# Altium PCB SpaceLocator.PcbDoc
Units mm, origin at the board's own origin, x right, y up, seen from the top; angles counter-clockwise.
Board outline 120.51 x 107.11 mm, 2 copper layers (Top Layer, Bottom Layer); 79 components, 67 nets, 270 pads, 69 vias.
Unrouted connection lines stored in the file: 1.
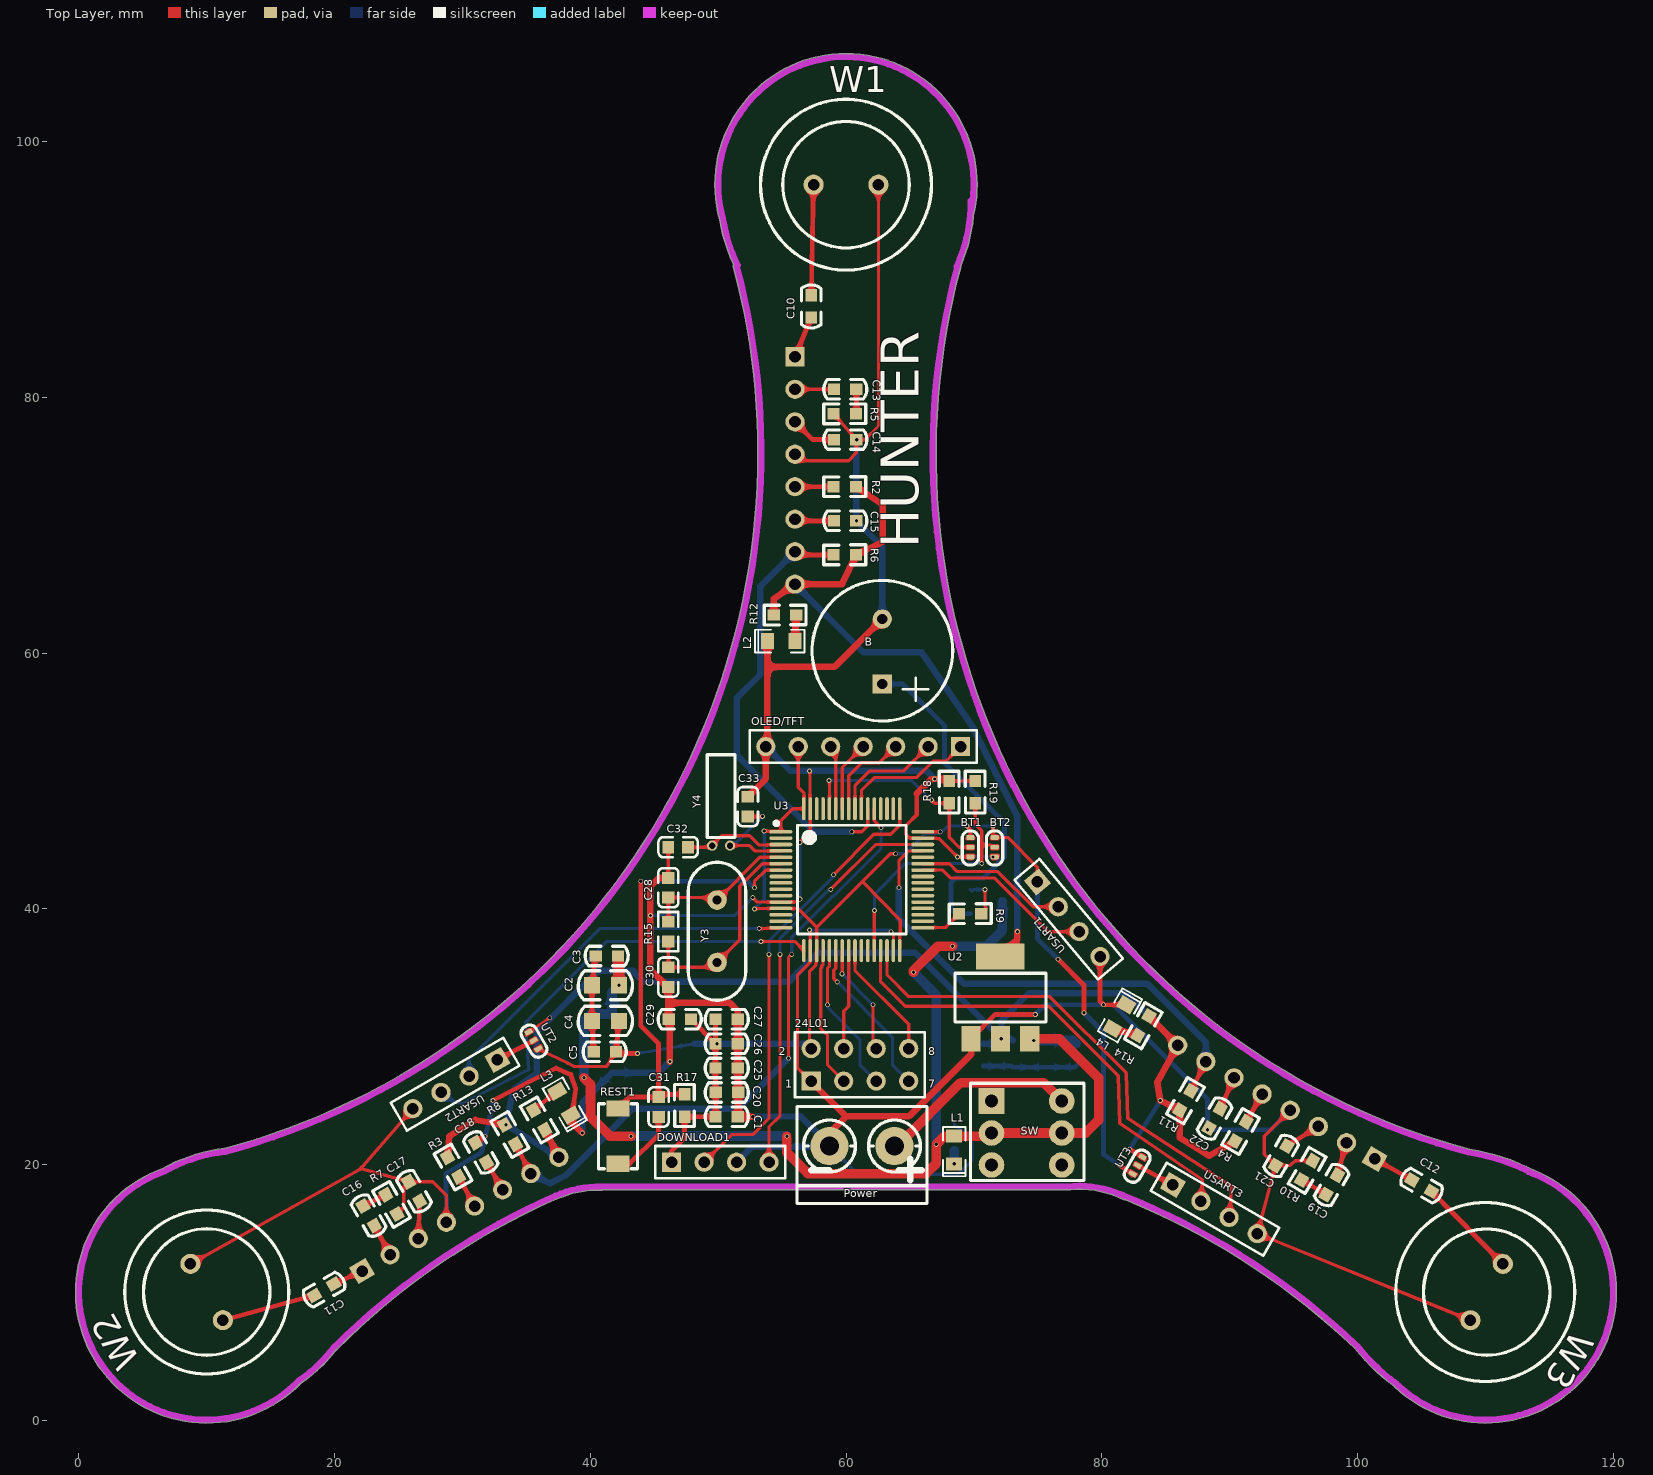
[diagram p0: Top Layer view]
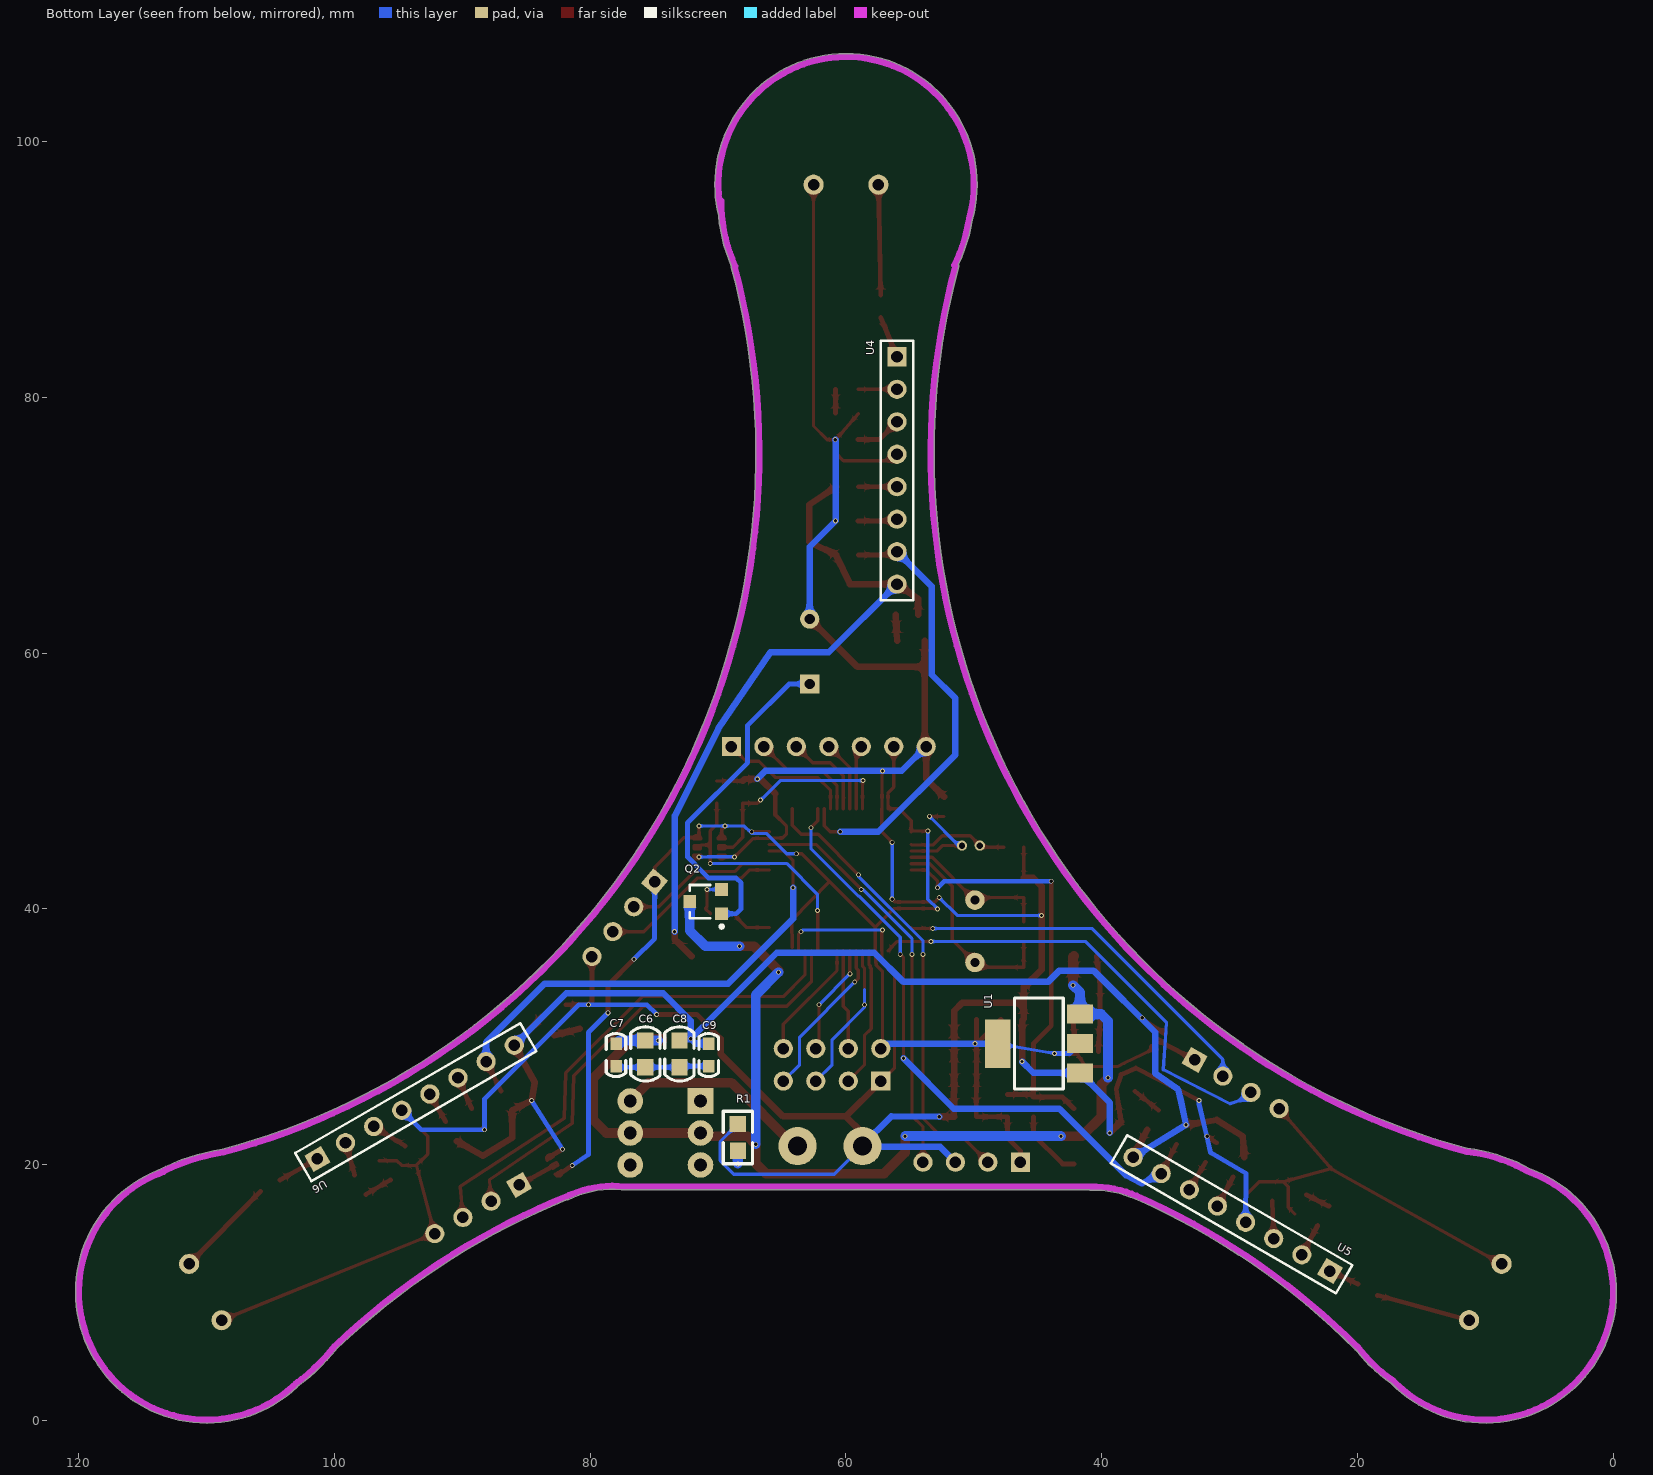
[diagram p1: Bottom Layer view, seen from below]
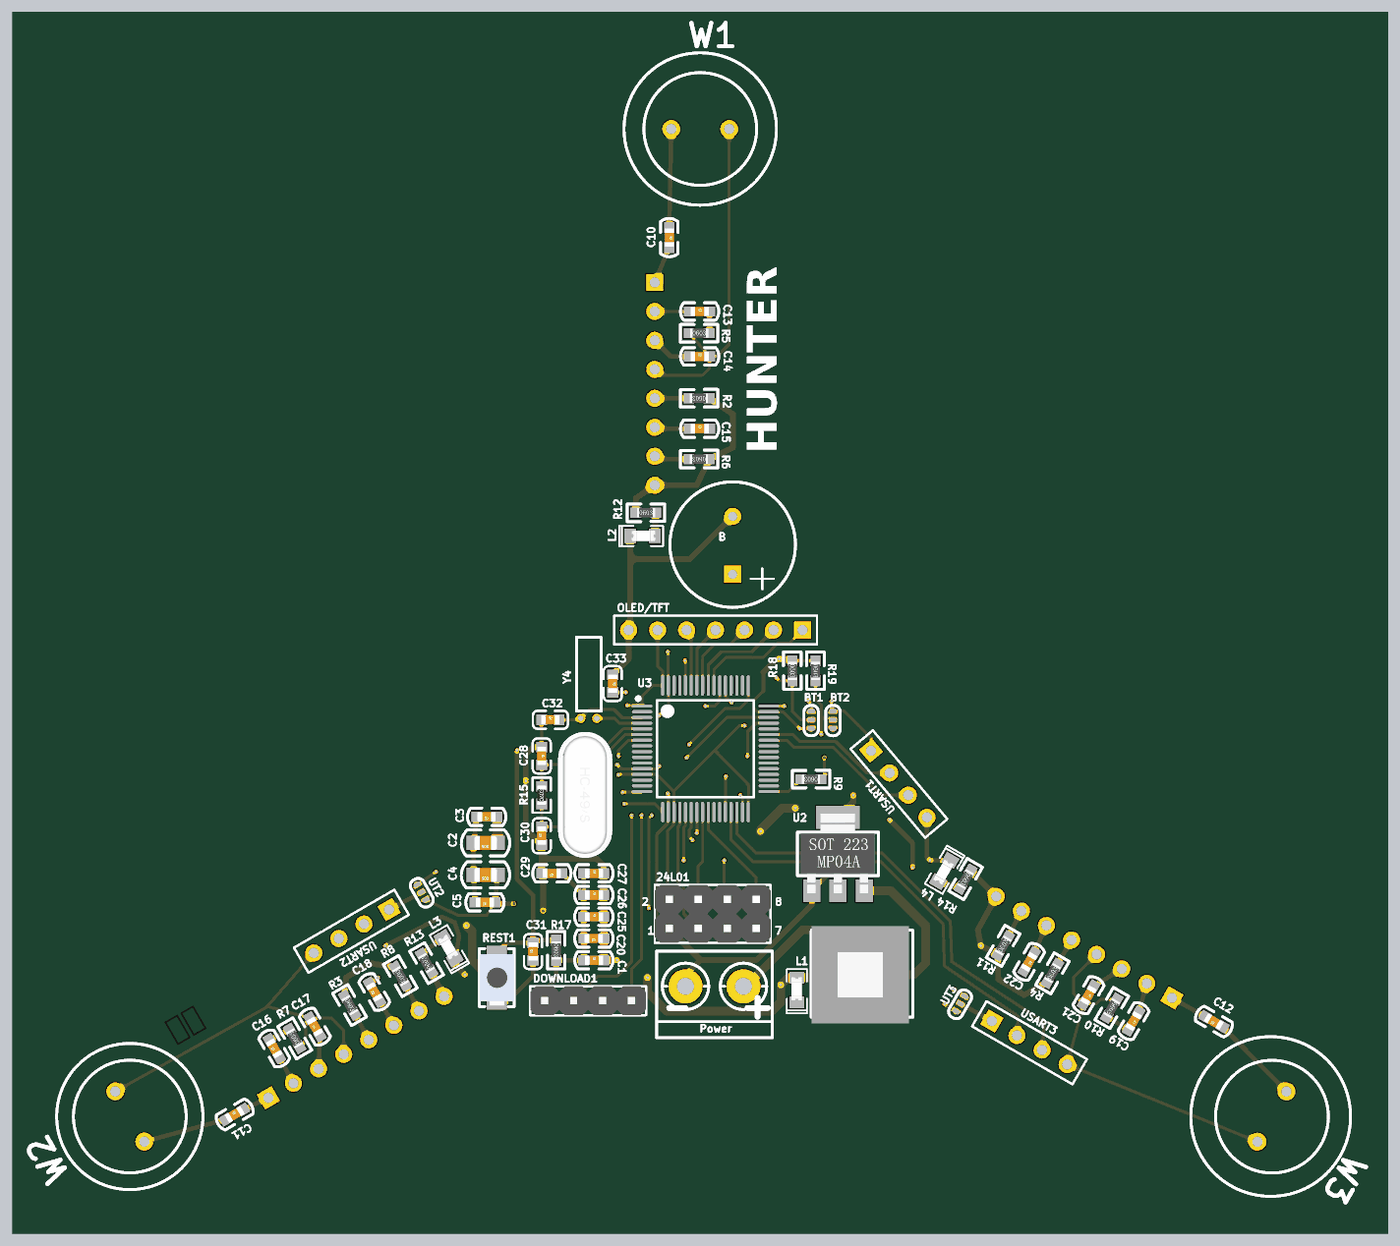
[diagram p2: 3D render of the assembled board from above, using the file's embedded part models]
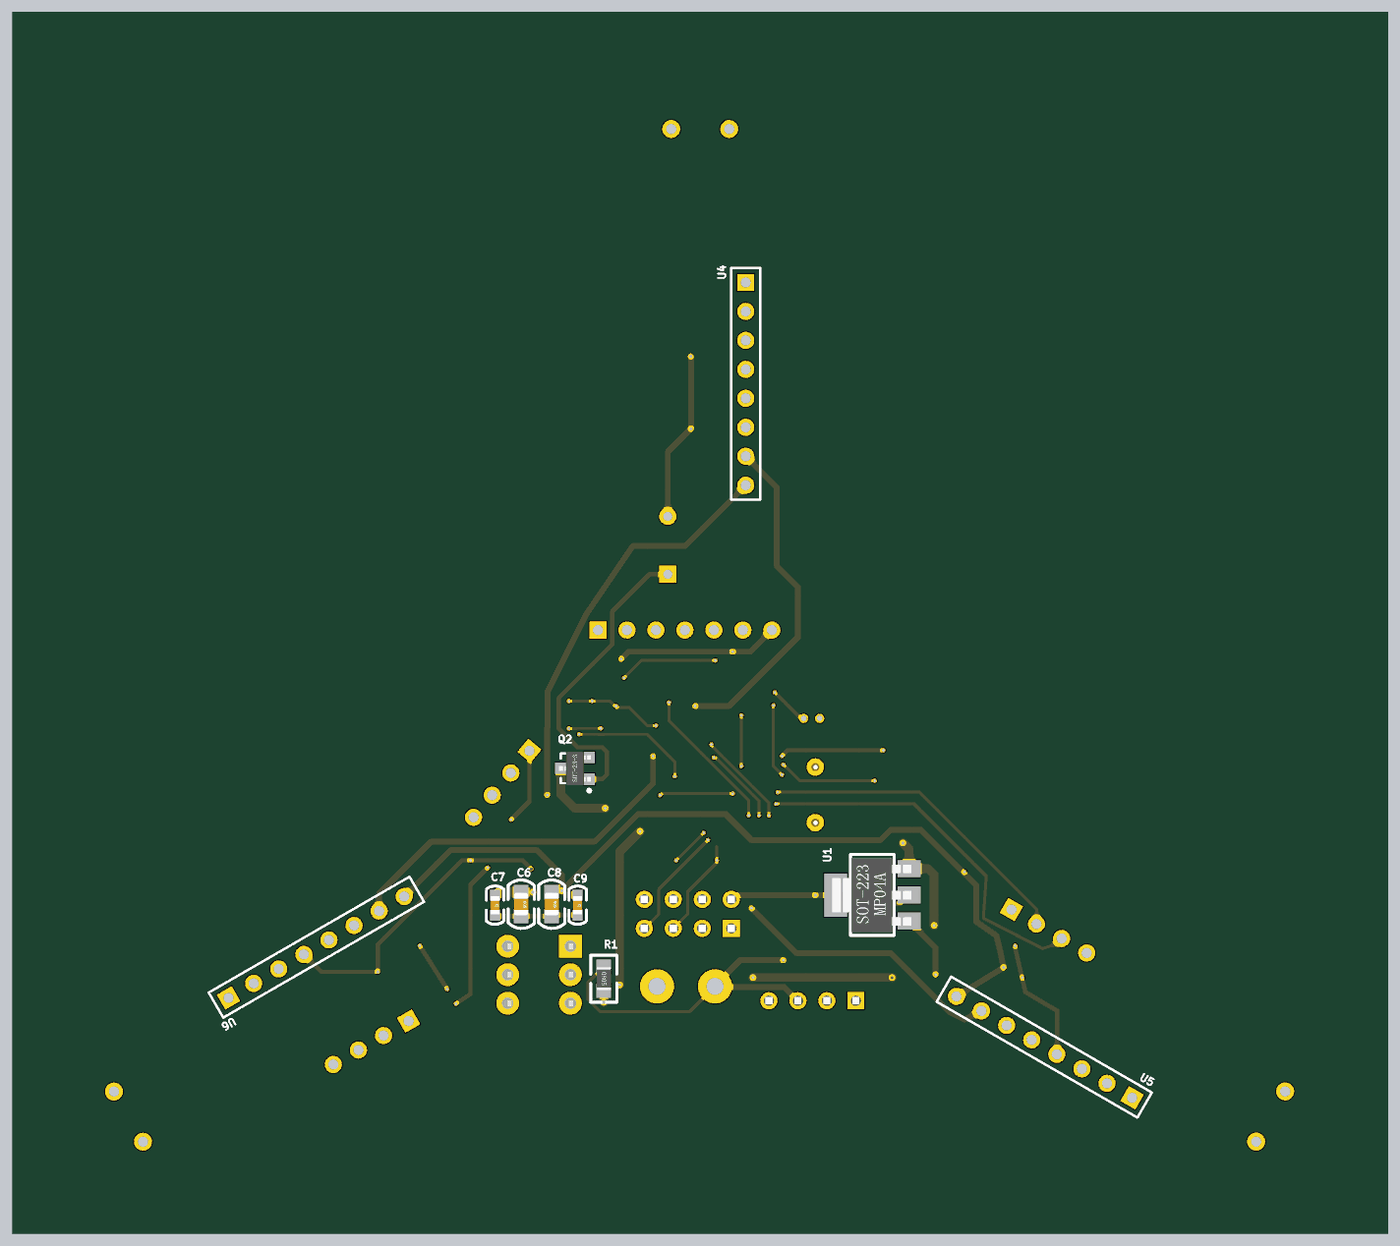
[diagram p3: 3D render of the assembled board from below, using the file's embedded part models]

## Layer stack, top to bottom
Top Solder: solder mask 0.0102, Solder Resist, Dk 3.5
Top Layer: signal copper 0.0356
Dielectric 1: dielectric 0.32, FR-4, Dk 4.8
Bottom Layer: signal copper 0.0356
Bottom Solder: solder mask 0.0102, Solder Resist, Dk 3.5

## Board outline
17.352,2.898 ccw(c10.922,12.446) 20.093,5.49 ccw(c19.996,5.725) 20.176,5.545 cw(c60.031,-34.193) 37.264,17.277 ccw(c37.211,17.526) 37.315,17.294 cw(c40.703,9.715) 40.885,18.015 ccw(c40.891,18.269) 40.987,18.034 77.343,18.034 77.47,18.034 ccw(c77.47,18.288) 77.571,18.054 cw(c78.232,10.16) 81.725,17.271 ccw(c81.837,17.499) 81.865,17.246 cw(c60.071,-36.068) 99.761,5.67 ccw(c113.03,16.256) 102.921,2.62 ccw(c109.996,10.043) 120.25,10.043 ccw(c109.996,10.043) 113.795,19.567 ccw(c106.299,5.08) 108.764,21.204 cw(c123.353,75.596) 68.958,90.171 ccw(c68.712,90.237) 68.966,90.237 ccw(c68.712,90.237) 68.962,90.284 ccw(c57.15,95.377) 69.962,94.233 ccw(c59.996,96.645) 70.25,96.645 ccw(c59.996,96.645) 50.115,93.904 ccw(c62.992,96.012) 51.207,90.41 ccw(c51.435,90.297) 51.189,90.231 cw(c-3.206,75.656) 53.108,75.656 cw(c-3.206,75.656) 11.443,21.281 ccw(c11.434,21.026) 11.404,21.279 ccw(c12.954,8.255) 6.547,19.7 ccw(c9.996,10.043)

## Design rules (kind name [scope] priority, off if disabled: settings)
Clearance [All] p1: gap=0.203 ignorepadtopadclearanceinfootprint=FALSE
PlaneConnect [All] p1: planeconnectstyle=Relief reliefexpansion=0.508 reliefentries=4 reliefconductorwidth=0.508 reliefairgap=0.254
PolygonConnect [All] p1: connectstyle=Relief reliefconductorwidth=0.254 reliefentries=4 polygonreliefangle="90 Angle" airgapwidth=0.254
RoutingVias [All] p1: holewidth=0.254 width=0.381 viastyle="Through Hole" minholewidth=0.203 minwidth=0.254 maxholewidth=0.711 maxwidth=0.889
SolderMaskExpansion [All] p1: expansion=0.102
Width [All] p1: maxlimit=0.762 minlimit=0.203 preferedwidth=0.254
29 further rules are at their usual default settings.

## Classes and differential pairs
component class U_STM32F103RCT6MinSys: B Bt1 BT2 C1 C20 C25 C26 C27 C28 C29 C30 C31 C32 C33 DOWNLOAD1 Q2 R9 R15 R17 R18 R19 REST1 U3 USART1 Y3 Y4
component class U_RecevieModels: C10 C11 C12 C13 C14 C15 C16 C17 C18 C19 C21 C22 L2 L3 L4 R2 R3 R4 R5 R6 R7 R8 R10 R11 R12 R13 R14 U4 U5 U6 W1 W2 W3
component class U_Power: C2 C3 C4 C5 C6 C7 C8 C9 L1 Power R1 SW U1 U2
component class U_MODELS: 24L01 OLED/TFT USART2 USART3 UT2 UT3

## Components (designator, comment, footprint, x,y, rotation, side; value= is the part's Value field where it differs from the comment)
24L01 "NRF2401" HDR2X4 57.277,26.543 r0 top locked
B "BEEP" BEEP 62.738,60.198 r180 top locked
BT1 "JUMPER3" Jumper3#1 69.723,45.847 r180 top locked (schematic designator BOOT1)
BT2 "JUMPER3" Jumper3#2 71.628,45.847 r180 top locked (schematic designator BOOT2)
C1 "104" C0603 49.784,23.749 r0 top locked
C2 "10u" C0805 42.385,34.033 r180 top locked
C3 "100n" C0603 42.164,36.322 r180 top locked
C4 "10u" C0805 42.385,31.239 r180 top locked
C5 "100n" C0603 42.012,28.829 r180 top locked
C6 "10u" C0805 75.692,29.87 r270 bottom locked
C7 "100n" C0603 77.978,29.464 r270 bottom locked
C8 "10u" C0805 73.025,29.87 r270 bottom locked
C9 "100n" C0603 70.739,29.464 r270 bottom locked
C10 "inf" C0603 57.277,88.011 r270 top locked
C11 "inf" C0603 18.415,9.779 r30 top locked
C12 "inf" C0603 105.785,17.92 r150 top locked
C13 "1u" C0603 59.055,80.645 r0 top locked
C14 "3.3u" C0603 59.055,76.708 r0 top locked
C15 "330p" C0603 59.055,70.358 r0 top locked
C16 "1u" C0603 23.101,15.246 r120 top locked
C17 "3.3u" C0603 26.657,17.151 r120 top locked
C18 "330p" C0603 31.877,20.193 r120 top locked
C19 "1u" C0603 98.425,19.177 r240 top locked
C20 "104" C0603 51.562,25.654 r180 top locked
C21 "3.3u" C0603 94.475,21.457 r240 top locked
C22 "330p" C0603 89.268,24.378 r240 top locked
C25 "104" C0603 49.784,27.559 r0 top locked
C26 "104" C0603 49.784,29.464 r0 top locked
C27 "104" C0603 49.784,31.369 r0 top locked
C28 "20pF" LC-0603_C 46.101,41.664 r270 top locked
C29 "104" C0603 47.879,31.369 r180 top locked
C30 "20pF" LC-0603_C 46.101,34.671 r90 top locked
C31 "104" LC-0603_C 45.339,24.511 r90 top locked value=100pF
C32 "6pF" LC-0603_C 46.863,44.831 r0 top locked value=20pF
C33 "6pF" LC-0603_C 52.324,48.006 r270 top locked value=20pF
DOWNLOAD1 "CON/SIP4" HDR1X4 46.355,20.193 r0 top locked
L1 "LED" LED0805TB 68.453,22.225 r270 top locked
L2 "LED" LED0805TB 56.007,60.96 r180 top locked
L3 "LED" LED0805TB 37.401,25.746 r300 top locked
L4 "LED" LED0805TB 80.835,30.642 r60 top locked
OLED/TFT "Header 7" HDR1X7 68.961,52.705 r180 top locked
Power "P" 2脚接头 61.245,21.457 r270 top locked (schematic designator U？)
Q2 "NPN" SOT23-3 70.866,40.513 r90 bottom locked
R1 "Resistor" R0805 68.458,23.172 r270 bottom locked
R2 "210k" R0603 60.774,73.025 r180 top locked
R3 "210k" R0603 28.829,20.574 r300 top locked
R4 "210k" R0603 90.424,21.844 r60 top locked
R5 "4.7" R0603 59.021,78.74 r0 top locked
R6 "22k" R0603 60.774,67.691 r180 top locked
R7 "4.7" R0603 24.879,16.135 r120 top locked
R8 "22k" R0603 33.274,23.114 r300 top locked
R9 "100R" R0603 70.587,39.624 r180 top locked
R10 "4.7" R0603 96.507,20.314 r240 top locked
R11 "22k" R0603 86.106,24.257 r60 top locked
R12 "1k" R0603 54.356,62.992 r0 top locked
R13 "1k" R0603 36.436,22.739 r120 top locked
R14 "1k" R0603 83.693,31.623 r240 top locked
R15 "1M" LC-0603_R 46.101,38.227 r90 top locked
R17 "10K" R0603 47.371,25.502 r270 top locked
R18 "10K" R0603 68.072,50.013 r270 top locked
R19 "10K" R0603 70.104,50.013 r270 top locked
REST1 "" KEY-K2 42.164,24.384 r270 top locked
SW "6PinSW" SW-7X7 71.124,24.979 r0 top locked (schematic designator SW?)
U1 "AMS1117-XX" SOT223 44.995,29.416 r90 bottom locked
U2 "AMS1117-XX" SOT223 72.009,33.147 r0 top locked
U3 "STM32F103RCT6" LC-LQFP-64_10x10x05P 60.452,42.291 r270 top locked
U4 "CX20106A" 8Pin_100mil 56.007,83.185 r270 bottom locked
U5 "CX20106A" 8Pin_100mil 22.144,11.684 r30 bottom locked
U6 "CX20106A" 8Pin_100mil 101.341,20.447 r150 bottom locked
USART1 "Header 4" HDR1X4 74.967,42.119 r310 top locked
USART2 "Header 4" HDR1X4 32.72,28.194 r210 top locked
USART3 "Header 4" HDR1X4 85.557,18.415 r330 top locked
UT2 "JUMPER3" Jumper3#2 35.052,30.598 r210 top locked
UT3 "JUMPER3" Jumper3#3 83.312,20.819 r150 top locked
W1 "Ultrasonoc" Circle_1cm 59.996,96.645 r270 top locked
W2 "Ultrasonoc" Circle_1cm 9.996,10.043 r30 top locked
W3 "Ultrasonoc" Circle_1cm 110.109,10.033 r150 top locked
Y3 "8MHz" XTAL-49/S_N 49.911,40.691 r270 top locked
Y4 "32.768k" "XTAL_2X6 卧式" 50.292,44.958 r90 top locked value=8MHz

## Footprints (in the part's own frame and the unit in brackets; to place one, negate y for a bottom-side part, rotate by r counter-clockwise, add the part's x,y. Pads: shape width x height; smd on the part's side, far side on the other; paste and mask are expansions set on the pad)
2脚接头 [mm]
  round 3 hole 1.5: 1(0,-2.54) 2(0,2.54)
  silkscreen extent -3.1,-5.08 4.5,5.08
8Pin_100mil [mm]
  rect 1.5x1.5 hole 0.9: 1(0,0)
  round 1.5 hole 0.9: 2(2.54,0) 3(5.08,0) 4(7.62,0) 5(10.16,0) 6(12.7,0) 7(15.24,0) 8(17.78,0)
  silkscreen extent -1.27,-1.27 19.05,1.27, body extent -1.27,-1.27 19.05,1.27, height 7.62
BEEP [mm]
  rect 1.5x1.5 hole 0.8: 1(-0.1,2.6)
  round 1.5 hole 0.8: 2(-0.1,-2.475)
  silkscreen extent -5.6,-5.5 5.4,5.5
C0603 [mil]
  rect 38x35 smd: 1(0,0) 2(69,0)
  silkscreen extent -31,-30 101,30, body extent 4,-16 67,16, height 12
C0805 [mil]
  rect 50x50 smd: 1(6,0) 2(88.7,-0.1)
  silkscreen extent -36,-45 131,45, body extent 8,-24 87,25, height 30
Circle_1cm [mil]
  round 62 hole 35.43: 1(0,100) 2(0,-100)
  silkscreen extent -194,-194 194,194
HDR1X4 [mm] "Connector; Header; 4 Position"
  rect 1.5x1.5 hole 0.9: 1(0,0)
  round 1.5 hole 0.9: 2(2.54,0) 3(5.08,0) 4(7.62,0)
  silkscreen extent -1.27,-1.27 8.89,1.27, body extent -1.26,-1.27 8.9,1.27, height 8.54
HDR1X7 [mm] "Connector; Header; 7 Position"
  rect 1.5x1.5 hole 0.9: 1(0,0)
  round 1.5 hole 0.9: 2(2.54,0) 3(5.08,0) 4(7.62,0) 5(10.16,0) 6(12.7,0) 7(15.24,0)
  silkscreen extent -1.27,-1.27 16.51,1.27
HDR2X4 [mm] "Connector; Header; 4x2 Position"
  rect 1.5x1.5 hole 0.9: 1(0,0)
  round 1.5 hole 0.9: 2(0,2.54) 3(2.54,0) 4(2.54,2.54) 5(5.08,0) 6(5.08,2.54) 7(7.62,0) 8(7.62,2.54)
  silkscreen extent -1.27,-1.27 8.89,3.81, body extent -1.27,-1.27 8.89,3.81, height 8.54
Jumper3#1 [mil] "Use to select Model"
  rrect50% 25x15 smd: 1(0,10) 2(0,40) 3(0,70)
  Top Layer lines w10: 0,75 0,70 0,65 ; 0,5 0,10 0,15 ; 0,65 -11.18,65 cw(c0,65) 10,70 cw(c0,65) 11.18,65 0,65 ; 0,15 -11.18,15 ccw(c0,15) 0,3.82 ccw(c0,15) 11.18,15 0,15 ; 10,45 0,45 -10,45 -10,40 -10,35 0,35 10,35 10,40 10,45
  silkscreen extent -25,-10 25,95
Jumper3#2 [mil] "Use to select Model"
  rrect50% 25x15 smd: 1(0,10) 2(0,40) 3(0,70)
  Top Layer lines w10: 0,75 0,70 0,65 ; 0,5 0,10 0,15 ; 0,65 5,65 11.18,65 ccw(c0,65) -11.18,65 0,65 ; 0,15 -11.18,15 ccw(c0,15) -10,10 ccw(c0,15) 5,5 ccw(c0,15) 11.18,15 0,15 ; 10,45 10,40 10,35 0,35 -10,35 -10,40 -10,45 0,45 10,45
  silkscreen extent -25,-10 25,95
Jumper3#3 [mil] "Use to select Model"
  rrect50% 25x15 smd: 1(0,10) 2(0,40) 3(0,70)
  Top Layer lines w10: 0,75 0,71.65 0,71.57 0,70 0,65 ; 0,5 0,10 0,15 ; 0,65 11.18,65 ccw(c0,65) 9.59,70.75 ccw(c0,65) -11.18,65 -0.95,65 0,65 ; 0,15 -11.18,15 ccw(c0,15) 9.91,9.83 ccw(c0,15) 11.18,15 0,15 ; 10,45 0,45 -10,45 -10,40 -10,39.82 -10,35 0,35 10,35 10,40 10,45
  silkscreen extent -25,-10 25,95
KEY-K2 [mil]
  rect 50x70 smd: 1(0,0) 2(170,0)
  silkscreen extent -15,-60 185,60, body extent -13,-58 183,60, height 79
LC-0603_C [mm]
  rect 0.93x0.98 smd: 1(-0.77,0) 2(0.77,0)
  silkscreen extent -1.53,-0.79 1.54,0.79, body extent -0.8,-0.4 0.8,0.4, height 0.3
LC-0603_R [mm]
  rect 0.93x0.98 smd: 1(-0.77,0) 2(0.77,0)
  silkscreen extent -1.53,-0.79 1.54,0.79, body extent -0.85,-0.4 0.85,0.4, height 0.56
LC-LQFP-64_10x10x05P [mm]
  oval 0.28x1.8 smd mask+0.051: 1(-3.75,-5.55) 2(-3.25,-5.55) 3(-2.75,-5.55) 4(-2.25,-5.55) 5(-1.75,-5.55) 6(-1.25,-5.55) 7(-0.75,-5.55) 8(-0.25,-5.55) 9(0.25,-5.55) 10(0.75,-5.55) 11(1.25,-5.55) 12(1.75,-5.55) 13(2.25,-5.55) 14(2.75,-5.55) 15(3.25,-5.55) 16(3.75,-5.55) 33(3.75,5.55) 34(3.25,5.55) 35(2.75,5.55) 36(2.25,5.55) 37(1.75,5.55) 38(1.25,5.55) 39(0.75,5.55) 40(0.25,5.55) 41(-0.25,5.55) 42(-0.75,5.55) 43(-1.25,5.55) 44(-1.75,5.55) 45(-2.25,5.55) 46(-2.75,5.55) 47(-3.25,5.55)
  oval 1.8x0.28 smd mask+0.051: 17(5.55,-3.75) 18(5.55,-3.25) 19(5.55,-2.75) 20(5.55,-2.25) 21(5.55,-1.75) 22(5.55,-1.25) 23(5.55,-0.75) 24(5.55,-0.25) 25(5.55,0.25) 26(5.55,0.75) 27(5.55,1.25) 28(5.55,1.75) 29(5.55,2.25) 30(5.55,2.75) 31(5.55,3.25) 32(5.55,3.75) 49(-5.55,3.75) 50(-5.55,3.25) 51(-5.55,2.75) 52(-5.55,2.25) 53(-5.55,1.75) 54(-5.55,1.25) 55(-5.55,0.75) 56(-5.55,0.25) 57(-5.55,-0.25) 58(-5.55,-0.75) 59(-5.55,-1.25) 60(-5.55,-1.75) 61(-5.55,-2.25) 62(-5.55,-2.75) 63(-5.55,-3.25) 64(-5.55,-3.75)
  oval 0.28x1.8 smd paste+0 mask+0.102: 48(-3.75,5.55)
  silkscreen extent -4.55,-6.05 4.25,4.25
LED0805TB [mil]
  rect 40x50 smd: 1(0,0) 2(85,0)
  silkscreen extent -29,-35 123,35, body extent -2,-18 79,18, height 33
R0603 [mil] "1/10W"
  rect 38x35 smd: 1(0,0) 2(69,0)
  silkscreen extent -30,-31 99,30, body extent 4,-16 66,16, height 18
R0805 [mm] "1/8W"
  rect 1.27x1.27 smd: 1(0,0) 2(2.09,0.005)
  silkscreen extent -1.01,-1.14 3.1,1.15, body extent 0.04,-0.62 2.04,0.64, height 0.55
SOT23-3 [mm]
  rect 1x1 smd: 1(-0.889,-1.143) 2(1.011,-1.143) 3(0.061,1.357)
  silkscreen extent -2.01,-1.27 1.36,1.36, body extent -1.39,-1.29 1.51,1.51, height 1.2
SOT223 [mil]
  rect 59x79 smd: 1(-88,-130) 2(2.55,-130) 3(93.1,-130)
  rect 150x79 smd: 2(1.88,123.54)
  silkscreen extent -137,-78 143,72, body extent -126,-139 130,135, height 67
SW-7X7 [mm]
  rect 2x2 hole 1: 1(0.25,0)
  round 2 hole 1: 2(0.25,-2.5) 3(0.25,-5) 4(5.75,-5) 5(5.75,-2.5) 6(5.75,0)
  silkscreen extent -1.4,-6.22 7.49,1.4, body extent -1.35,-6.76 7.15,1.74, height 14
XTAL-49/S_N [mil] "短型晶振（未加焊）"
  round 60 hole 28: 1(0,0) 2(192,0)
  silkscreen extent -116,-88 308,89, body extent -116,-89 309,88, height 138
"XTAL_2X6 卧式" [mm]
  round 0.8 hole 0.5: 1(0,-0.635) 2(0,0.762)
  silkscreen extent 0.63,-1.02 7.11,1.14, body extent 0.91,-0.94 6.91,1.05, height 2

## Part data
24L01: library part "HEADER 8", "8 Pin Header"
B: library part 蜂鸣器
BT1 BT2 UT2 UT3: "Jumper"
C1 C20 C25 C26 C27 C29: library part CAP
C2 C3 C4 C5 C6 C7 C8 C9 C10 C11 C12 C13 C14 C15 C16 C17 C18 C19 C21 C22: library part Capacitor, "电容"
C28 C30 C32 C33: library part CAP, "CAP CHIP 20P 50V(+-5% C0G 0603)"
C31: library part CAP, "GRM39 X7R102K50PT", Published=8-Jun-2000, Publisher="Altium Limited", REF="GRM39 X7R102K50PT", Revision="July-2002: Re-released for DXP Platform."
OLED/TFT: "Header, 7-Pin", LatestRevisionDate=17-Jul-2002, LatestRevisionNote="Re-released for DXP Platform.", Publisher="Altium Limited"
Power: library part 2脚接头
Q2: "triode"
R1: "电阻"
R2 R3 R4 R5 R6 R7 R8 R10 R11 R12 R13 R14: library part Resistor, "电阻"
R9 R15 R17 R18 R19: library part RES
REST1: library part SW-PB
U1 U2: "稳压芯片"
U3: library part STM32F103RBT6
USART1 USART2 USART3: "Header, 4-Pin", LatestRevisionDate=17-Jul-2002, LatestRevisionNote="Re-released for DXP Platform.", Publisher="Altium Limited"
W1 W2 W3: library part Ultrasonic
Y3 Y4: library part CRYSTAL, "Crystal 8MHz PLUG"

## Via types
v1: diameter 0.381, hole 0.254, Top Layer to Bottom Layer, 69 vias

## Nets (pads, with @x,y where several pads share a name; then routed paths per layer and width w, separated by ;. In a path a pad name is that pad's centre, name@x,y a point inside that pad or via, vN(x,y) a via of type N, cw(c..) or ccw(c..) an arc to the next point about the centre after c; other vN are vias at no path point)
3V3: 24L01.2 BT1.1 BT2.1 C1.1 C4.1 C5.1 C20.2 C25.1 C26.1 C27.1 C29.1 DOWNLOAD1.1 OLED/TFT.6 R17.2 U1.2 U3.1 U3.13 U3.19 U3.32 U3.48 U3.64 USART1.1 UT2.3 UT3.3 | length 133.4
  Top Layer w0.254: UT2.3@36.093,28.984 38.227,27.94 38.735,27.686 41.275,27.686 C5.1 ; v1(52.832,40.005) 52.868,40.041 U3.13 56.225,40.041 57.702,38.564 ; v1(53.594,46.101) 54.842,46.101 U3.1 54.902,46.901 55.842,47.841 U3.64 56.702,49.089 56.261,49.53 OLED/TFT.6 ; 24L01.2@57.404,29.083 57.133,29.354 57.133,35.101 57.629,35.597 57.629,35.743 57.672,35.786 57.672,36.711 U3.19 57.702,38.564 ; 61.305,42.125 64.232,39.115 U3.32@64.202,36.995 ; v1(63.881,44.323) 63.461,44.323 57.702,38.564 ; U3.48 v1(67.37,46.041) ; v1(69.469,46.482) 69.723,46.228 BT1.1@69.723,45.75 ; BT2.1@71.501,45.72 v1(71.501,46.482) ; BT2.1 71.882,45.593 72.644,45.593 74.967,43.27 USART1.1
  Top Layer w0.381: C4.1 C5.1 42.139,28.702 v1(43.688,28.702) ; DOWNLOAD1.1 46.355,21.082 47.371,22.098 R17.2 C1.1 49.809,23.774 C20.2 49.784,25.679 C25.1 C26.1 ; C29.1 C26.1 ; C27.1 C26.1 ; v1(76.581,36.068) 78.613,34.036 v1(78.613,31.877) ; v1(81.407,19.939) 82.203,19.384 82.4,19.246 82.403,19.245 UT3.3@82.423,19.231
  Bottom Layer w0.254: v1(43.688,28.702) U1.2@48.133,29.464 ; v1(52.832,40.005) 53.594,40.767 v1(53.594,46.101) ; v1(63.881,44.323) 64.643,44.323 66.227,45.907 67.37,45.907 v1(67.37,46.041) 67.504,46.041 67.945,46.482 v1(69.469,46.482) v1(71.501,46.482)
  Bottom Layer w0.381: U1.2@41.693,29.481 42.472,28.702 v1(43.688,28.702) ; USART1.1 74.967,37.682 v1(76.581,36.068) ; v1(78.613,31.877) 80.137,30.353 80.137,20.786 v1(81.407,19.939)
  Bottom Layer w0.508: U1.2@48.133,29.464 v1(49.911,29.464) 56.896,29.464 24L01.2 ; 24L01.2@57.15,28.829 24L01.2@57.404,28.829
5V0: C8.1 C9.1 R2.1 R3.1 R4.1 R6.1 R8.1 R11.1 R12.1 R13.1 R14.1 U2.2 U4.8 U5.8 U6.8 UT2.1 UT3.1 | length 165.1
  Top Layer w0.254: UT2.1 35.382,30.515 v1(36.83,31.496)
  Top Layer w0.381: v1(82.169,21.209) 82.969,20.729 UT3.1
  Top Layer w0.508: R3.1 28.956,22.225 30.988,23.495 R8.1 v1(33.401,23.114) ; R13.1 U5.8 ; R12.1 54.356,64.262 U4.8 59.69,65.405 R6.1 62.865,68.707 62.865,71.628 R2.1 ; U2.2@72.057,36.285 73.406,37.634 v1(73.406,38.227) ; U2.2@72.074,29.845 v1(72.136,29.845) ; R14.1 U6.8 84.328,26.416 v1(84.582,25.019) R11.1 86.106,22.098 88.392,20.701 R4.1
  Bottom Layer w0.381: v1(82.169,21.209) v1(84.582,25.019)
  Bottom Layer w0.508: U5.8 v1(33.401,23.114) 33.782,24.892 34.036,25.908 35.814,27.138 35.814,30.353 40.64,35.179 43.307,35.179 44.196,34.29 55.499,34.29 57.785,36.576 65.405,36.576 v1(72.136,29.845) ; U4.8 61.341,60.071 65.913,60.071 69.977,54.102 73.381,47.295 73.381,44.221 73.406,44.196 v1(73.406,38.227) ; C9.1 71.755,29.464 v1(72.136,29.845) ; C8.1 72.898,29.845 v1(72.136,29.845) ; U6.8 81.879,33.401 74.295,33.401 72.136,31.242 v1(72.136,29.845)
BOOT0: BT1.2 R18.2 U3.60 | length 17
  Top Layer w0.254: v1(58.674,50.038) 58.702,50.01 U3.60 ; v1(66.675,48.514) 66.929,48.26 R18.2 68.072,45.593 68.834,44.831 69.469,44.831 BT1.2
  Bottom Layer w0.254: v1(58.674,50.038) 65.151,50.038 v1(66.675,48.514)
BOOT1: BT2.2 R19.2 U3.28 | length 19.9
  Top Layer w0.254: U3.28 62.202,39.85 v1(62.23,39.878) ; R19.2 70.104,46.609 70.612,46.101 70.612,45 ; v1(70.612,43.561) 70.612,45 ; BT2.2@71.628,44.704 71.374,44.958 71.332,45 70.612,45
  Bottom Layer w0.254: v1(62.23,39.878) 62.23,41.148 64.643,43.561 68.479,43.561 68.491,43.548 68.923,43.548 68.935,43.561 v1(70.612,43.561)
EXTI0: R6.2 U3.54 U4.7 | length 35.2
  Top Layer w0.254: U4.7 U4.7@56.261,67.691 ; v1(60.452,46.041) 61.245,46.041 61.702,46.498 U3.54
  Top Layer w0.381: U4.7@56.261,67.691 R6.2
  Bottom Layer w0.508: U4.7 53.287,65.225 53.287,58.328 51.435,56.476 51.435,52.07 57.464,46.041 v1(60.452,46.041)
EXTI1: R8.2 U3.53 U5.7 | length 49.8
  Top Layer w0.254: v1(55.499,28.321) 55.499,36.208 55.74,36.449 v1(55.753,36.449) ; U3.53 62.202,46.891 v1(62.738,46.355)
  Top Layer w0.381: R8.2 U5.7
  Bottom Layer w0.254: v1(55.753,36.449) 55.753,37.786 58.975,41.008 59.017,41.008 62.738,44.73 v1(62.738,46.355)
  Bottom Layer w0.381: U5.7 U5.7@35.469,19.177
  Bottom Layer w0.508: U5.7 36.83,18.542 38.1,19.177 43.307,24.384 51.562,24.384 v1(55.499,28.321)
EXTI2: R11.2 U3.45 U6.7 | length 38.8
  Top Layer w0.254: v1(64.135,41.656) 64.135,43.779 64.897,44.541 U3.45
  Top Layer w0.381: R11.2 U6.7
  Bottom Layer w0.508: v1(64.135,41.656) 64.135,39.243 69.215,34.163 83.566,34.163 88.143,29.586 U6.7
GND: 24L01.1 B.2 BT1.3 BT2.3 C1.2 C14.2 C15.2 C17.2 C18.2 C20.1 C21.2 C22.2 C25.2 C26.2 C27.2 C28.1 C29.2 C30.1 C32.1 C33.1 DOWNLOAD1.3 L2.2 L3.2 L4.2 OLED/TFT.7 Power.1 R1.1 R5.1 R7.1 R10.1 R18.1 R19.1 U1.1 U2.1 U3.12 U3.18 U3.31 U3.47 U3.63 U4.4 U5.4 U6.4 USART1.4 USART2.4 USART3.4 W1.1 W2.1 W3.1 | length 366.8
  Top Layer w0.254: W2.1 21.971,19.614 ; R7.1 25.4,16.656 25.4,18.288 C17.2 ; USART2.4 21.971,19.614 ; U5.4 28.743,17.612 27.686,18.669 C17.2 ; C32.1 46.093,42.442 C28.1 ; v1(52.705,40.894) 53.058,40.541 U3.12 56.162,40.541 v1(56.388,40.767) ; U4.4 56.515,75.057 60.198,75.057 60.808,75.667 C14.2 ; v1(56.388,45.212) 57.202,46.026 U3.63 57.172,47.871 57.172,50.778 v1(57.15,50.8) ; v1(57.15,38.354) 57.202,38.302 U3.18 57.172,36.711 57.172,35.786 56.197,34.811 56.197,27.587 57.404,26.38 57.404,26.376 24L01.1@57.404,26.162 ; R5.1 C14.2 ; W1.1 62.536,77.776 61.468,76.708 v1(60.833,76.708) C14.2 ; v1(63.509,38.218) 63.702,38.025 U3.31 ; 65.532,47.371 64.659,46.498 64.659,45.852 64.97,45.541 U3.47 66.023,45.52 67.256,45.52 v1(68.707,44.069) 69.469,44.069 BT1.3 ; R18.1 R19.1 ; U6.4 92.71,22.225 92.71,20.828 C21.2 ; R10.1 95.117,20.314 94.742,19.939 C21.2 ; W3.1 USART3.4 C21.2 ; 21.971,19.614 22.098,19.685 C17.2
  Top Layer w0.381: C18.2 v1(31.75,22.225) ; v1(32.385,25.019) 37.338,27.559 38.481,27.051 38.862,25.908 38.556,23.865 L3.2@38.481,23.368 ; 65.532,47.371 65.532,49.022 ; U2.1 69.774,29.854 71.669,31.75 v1(74.803,31.75) ; USART1.4 79.865,32.784 v1(80.137,32.512) L4.2 ; v1(88.265,22.733) C22.2
  Top Layer w0.508: L3.2@38.481,23.368 v1(39.37,22.479) ; C28.1 45.355,42.434 44.704,41.783 v1(44.704,39.497) 44.704,35.236 46.039,33.901 C30.1 46.101,32.648 ; v1(46.228,28.067) 46.228,31.267 C29.2 46.101,31.394 46.101,32.648 ; C33.1 53.721,50.173 53.721,52.324 53.848,52.451 53.848,58.928 ; v1(52.705,23.749) C1.2 51.562,23.774 C20.1 51.537,25.679 C25.2 C26.2 C27.2 51.537,32.029 50.918,32.648 46.101,32.648 ; L2.2 53.848,58.928 ; 24L01.1@57.133,26.647 57.404,26.376 60.006,23.774 ; Power.1 58.705,22.474 60.006,23.774 ; B.2 59.093,58.928 53.848,58.928 ; 65.532,49.022 66.675,50.165 v1(66.929,50.165) 67.92,50.165 R18.1 ; U2.1 69.774,28.626 64.922,23.774 60.006,23.774
  Bottom Layer w0.254: v1(44.704,39.497) 51.308,39.497 v1(52.705,40.894) ; v1(56.388,40.767) v1(56.388,45.212) ; v1(57.15,38.354) 63.373,38.354 v1(63.509,38.218) ; Power.1 60.916,19.245 68.775,19.245 69.85,20.32 69.85,21.78 R1.1 ; v1(68.707,44.069) 68.72,44.082 70.828,44.082 70.84,44.069 v1(71.501,44.069)
  Bottom Layer w0.381: U5.4 28.702,19.304 31.496,20.955 31.79,22.216 32.385,24.765 v1(32.385,25.019) ; v1(74.803,31.75) 75.565,32.512 v1(80.137,32.512) 80.899,32.512 88.265,25.146 v1(88.265,22.733) 93.218,22.733 U6.4
  Bottom Layer w0.508: v1(39.37,22.479) 39.37,24.858 U1.1 45.342,27.181 v1(46.228,28.067) ; DOWNLOAD1.3 52.642,21.4 55.011,21.4 55.025,21.387 58.635,21.387 Power.1 ; v1(52.705,23.749) 56.467,23.77 58.755,21.507 Power.1@58.928,21.336 ; OLED/TFT.7 55.626,50.8 v1(57.15,50.8) 66.294,50.8 v1(66.929,50.165) ; v1(60.833,76.708) 60.808,76.683 v1(60.808,70.358) 62.838,68.328 B.2
Net24L01_3: 24L01.3 U3.20 | length 11
  Top Layer w0.254: U3.20 58.202,35.669 58.09,35.557 58.09,35.411 58.026,35.347 58.026,30.647 58.547,30.126 58.547,27.813 24L01.3
Net24L01_4: 24L01.4 U3.24 | length 8.1
  Top Layer w0.254: 24L01.4@59.817,28.829 59.817,32.004 60.211,32.398 60.211,36.732 U3.24
Net24L01_5: 24L01.5 U3.21 | length 14.2
  Top Layer w0.254: v1(58.547,32.512) 58.547,35.368 58.702,35.523 U3.21
  Bottom Layer w0.254: v1(58.547,32.512) 58.547,33.706 58.547,32.306 61.087,29.766 61.087,27.813 24L01.5
Net24L01_6: 24L01.6 U3.23 | length 8.9
  Top Layer w0.254: v1(59.69,34.925) 59.702,34.937 U3.23 ; v1(62.103,32.512) 62.103,29.591 62.484,29.21 24L01.6
  Bottom Layer w0.254: v1(59.69,34.925) v1(62.103,32.512)
Net24L01_7: 24L01.7 U3.22 | length 12.7
  Top Layer w0.254: U3.22 59.202,35.376 59.042,35.217 59.042,34.557 v1(59.309,34.29)
  Bottom Layer w0.254: v1(59.309,34.29) 63.627,29.972 63.627,27.813 24L01.7
Net24L01_8: 24L01.8 U3.25 | length 9.4
  Top Layer w0.254: U3.25 60.702,35.183 64.897,30.988 24L01.8
NetB_1: B.1 Q2.1 | length 27.3
  Bottom Layer w0.254: Q2.1 Q2.1@69.806,39.624
  Bottom Layer w0.381: B.1 64.449,57.598 67.691,54.356 67.691,51.435 72.39,46.736 72.39,44.069 70.739,42.418 68.58,42.418 68.199,42.037 68.199,40.005 68.58,39.624 Q2.1
NetC2_2: C2.2 C3.2 C4.2 C5.2 | length 7.5
  Top Layer w0.381: C5.2 C4.2 C2.2 C3.2
NetC6_2: C6.2 C7.2 C8.2 C9.2 | length 7.3
  Bottom Layer w0.381: C9.2 72.934,27.711 C8.2 C6.2 77.884,27.617 C7.2
NetC10_1: C10.1 W1.2 | length 8.6
  Top Layer w0.381: C10.1 W1.2
NetC10_2: C10.2 U4.1 | length 3.3
  Top Layer w0.381: U4.1 C10.2
NetC11_1: C11.1 W2.2 | length 7.4
  Top Layer w0.381: W2.2 C11.1
NetC11_2: C11.2 U5.1 | length 2.4
  Top Layer w0.381: C11.2 U5.1
NetC12_1: C12.1 W3.2 | length 8
  Top Layer w0.381: C12.1 W3.2
NetC12_2: C12.2 U6.1 | length 3.4
  Top Layer w0.381: U6.1 C12.2
NetC13_2: C13.2 R5.2 | length 1.9
  Top Layer w0.254: R5.2 R5.2@60.808,78.774
  Top Layer w0.381: R5.2@60.808,78.774 C13.2
NetC16_2: C16.2 R7.2 | length 2
  Top Layer w0.381: C16.2 R7.2
NetC19_2: C19.2 R10.2 | length 2.2
  Top Layer w0.381: R10.2 C19.2
NetC31_1: C31.1 REST1.2 | length 5.5
  Top Layer w0.381: REST1.2 43.053,20.066 45.339,22.352 C31.1
NetL1_2: L1.2 R1.2 | length 1
  Bottom Layer w0.762: v1(68.453,20.066) R1.2
NetL2_1: L2.1 R12.2 | length 2
  Top Layer w0.508: L2.1 R12.2
NetL3_1: L3.1 R13.2 | length 2.4
  Top Layer w0.381: R13.2 L3.1
NetL4_1: L4.1 R14.2 | length 2.1
  Top Layer w0.508: L4.1 R14.2
NetQ2_2: Q2.2 R9.1 | length 3.4
  Top Layer w0.254: R9.1 70.993,40.03 70.866,40.157 v1(70.866,41.529)
  Bottom Layer w0.254: Q2.2 69.845,41.402 69.972,41.529 v1(70.866,41.529)
NetR9_2: R9.2 U3.33 | length 3.3
  Top Layer w0.254: U3.33 67.751,38.541 R9.2
NetSW?_1: Power.2 SW.6 | length 15.9
  Top Layer w0.762: Power.2@64.008,21.082 64.008,21.463 68.961,26.416 75.437,26.416 SW.6
NetU3_16: U3.16 USART2.2 | length 30
  Top Layer w0.254: v1(53.213,38.481) 54.842,38.481 U3.16
  Bottom Layer w0.254: USART2.2 30.521,28.235 40.767,38.481 v1(53.213,38.481)
NetU3_17: U3.17 USART2.3 | length 36.2
  Top Layer w0.254: v1(53.34,37.465) 55.978,37.465 U3.17
  Bottom Layer w0.254: USART2.3 28.829,25.146 29.972,24.765 35.179,27.432 34.925,31.115 41.275,37.465 v1(53.34,37.465)
NetU3_29: U3.29 USART3.2 | length 37.3
  Top Layer w0.254: U3.29 62.702,34.301 64.618,32.385 75.849,32.385 81.28,26.954 81.407,23.241 87.884,18.826 USART3.2
NetU3_30: U3.30 USART3.3 | length 39.5
  Top Layer w0.254: U3.30 63.202,34.842 64.897,33.147 75.946,33.147 81.915,27.178 82.042,23.622 90.17,18.288 USART3.3
NetU3_42: U3.42 USART1.3 | length 14.2
  Top Layer w0.254: U3.42 67.576,43.041 68.199,42.418 71.628,42.418 75.819,38.227 USART1.3
NetU3_43: U3.43 USART1.2 | length 12
  Top Layer w0.254: U3.43 68.092,43.541 68.707,42.926 71.882,42.926 74.635,40.173 USART1.2
OLED_CS: OLED/TFT.1 U3.55 | length 10.6
  Top Layer w0.254: U3.55 61.202,49.264 62.23,50.292 65.532,50.292 66.802,51.562 67.818,51.562 OLED/TFT.1
OLED_D0: OLED/TFT.5 U3.59 | length 5
  Top Layer w0.254: OLED/TFT.5 59.202,52.304 U3.59
OLED_D1: OLED/TFT.4 U3.58 | length 5.5
  Top Layer w0.254: U3.58 59.702,51.066 OLED/TFT.4
OLED_DC: OLED/TFT.2 U3.56 | length 8.8
  Top Layer w0.254: U3.56 60.702,49.653 ; 60.71,49.653 60.71,49.661 61.849,50.8 64.516,50.8 OLED/TFT.2
OLED_RES: OLED/TFT.3 U3.57 | length 7.2
  Top Layer w0.254: U3.57 60.202,50.042 ; 60.21,50.042 60.21,50.431 61.214,51.435 62.611,51.435 OLED/TFT.3
OSC_IN1: C32.2 U3.3 Y4.2 | length 7.9
  Top Layer w0.254: C32.2 49.403,44.831 Y4.2 50.292,45.72 52.451,45.72 53.16,45.011 54.872,45.011 U3.3
OSC_IN2: C28.2 R15.2 U3.5 Y3.1 | length 12.2
  Top Layer w0.254: R15.2 C28.2 49.708,40.894 Y3.1 53.261,44.041 U3.5
OSC_OUT1: C33.2 U3.4 Y4.1 | length 8.8
  Top Layer w0.254: Y4.1 52.451,44.958 52.868,44.541 U3.4 ; C33.2 53.459,47.236 v1(53.467,47.244)
  Bottom Layer w0.254: Y4.1 51.181,44.958 v1(53.467,47.244)
OSC_OUT2: C30.2 R15.1 U3.6 Y3.2 | length 16.6
  Top Layer w0.254: R15.1 C30.2 49.538,35.441 Y3.2 51.689,37.592 51.689,41.783 53.447,43.541 U3.6
PS2: USART2.1 UT2.2 | length 2.9
  Top Layer w0.381: USART2.1 UT2.2@35.322,29.563
PS3: USART3.1 UT3.2 | length 3.1
  Top Layer w0.254: UT3.2 UT3.2@83.026,19.816
  Top Layer w0.381: UT3.2@83.026,19.816 USART3.1
REC1_C1: C13.1 U4.2 | length 3
  Top Layer w0.254: U4.2 C13.1
REC1_C2: C14.1 U4.3 | length 3.6
  Top Layer w0.381: U4.3 57.404,76.708 C14.1
REC1_C3: C15.1 U4.6 | length 3.1
  Top Layer w0.254: U4.6 U4.6@56.134,70.358
  Top Layer w0.381: U4.6@56.134,70.358 C15.1
REC1_F0: R2.2 U4.5 | length 3
  Top Layer w0.381: U4.5 R2.2
REC2_C1: C16.1 U5.2 | length 2.6
  Top Layer w0.381: C16.1 U5.2
REC2_C2: C17.1 U5.3 | length 2.9
  Top Layer w0.381: U5.3 C17.1
REC2_C3: C18.1 U5.6 | length 2.5
  Top Layer w0.381: C18.1 U5.6
REC2_F0: R3.2 U5.5 | length 2.6
  Top Layer w0.381: R3.2 U5.5
REC3_C1: C19.1 U6.2 | length 2.6
  Top Layer w0.381: C19.1 U6.2
REC3_C2: C21.1 U6.3 | length 2.9
  Top Layer w0.381: C21.1 U6.3
REC3_C3: C22.1 U6.6 | length 2.6
  Top Layer w0.381: C22.1 U6.6
REC3_F0: R4.2 U6.5 | length 2.5
  Top Layer w0.381: R4.2 U6.5
RESET: C31.2 R17.1 REST1.1 U3.7 | length 35.2
  Top Layer w0.254: v1(52.832,41.656) 52.832,42.164 53.709,43.041 U3.7
  Top Layer w0.381: REST1.1 43.061,25.281 C31.2 ; v1(43.942,42.164) 43.942,30.861 45.339,29.464 C31.2 ; R17.1 45.56,25.502 C31.2
  Bottom Layer w0.381: v1(43.942,42.164) 52.324,42.164 v1(52.832,41.656)
SWCLK: DOWNLOAD1.2 U3.49 | length 35.7
  Top Layer w0.254: DOWNLOAD1.2 51.054,22.352 52.705,22.352 53.975,23.622 v1(53.975,36.449) ; v1(59.021,42.672) 62.184,45.834 63.487,45.834 64.202,46.549 U3.49
  Bottom Layer w0.254: v1(53.975,36.449) 53.975,37.516 59.021,42.562 v1(59.021,42.672)
SWDIO: DOWNLOAD1.4 U3.46 | length 32.1
  Top Layer w0.254: DOWNLOAD1.4 53.975,22.975 54.842,23.842 v1(54.842,36.449) ; v1(58.801,41.529) 62.313,45.041 U3.46
  Bottom Layer w0.254: v1(54.842,36.449) 54.842,37.697 58.674,41.529 v1(58.801,41.529)
VBAT: C2.1 C3.1 C6.1 C7.1 L1.1 Q2.3 SW.2 SW.5 U1.3 U2.3 | length 98.1
  Top Layer w0.762: v1(39.497,26.797) 40.005,26.289 40.005,23.749 41.529,22.225 v1(43.18,22.225) ; C3.1 42.233,36.253 v1(42.233,34.033) ; v1(55.372,22.225) 55.372,20.955 57.03,19.297 66.27,19.297 67.056,20.083 v1(67.056,21.59) 67.691,22.225 L1.1 71.12,22.225 SW.2 SW.5 78.74,22.479 79.756,23.495 79.756,26.797 76.708,29.845 U2.3 ; v1(65.278,35.052) 65.278,35.179 67.183,37.084 v1(68.326,37.084) ; U2.3@74.374,29.718 U2.3@74.374,29.766
  Bottom Layer w0.762: v1(39.497,26.797) 39.497,31.242 40.036,31.781 U1.3 41.693,33.494 v1(42.233,34.033) ; v1(43.18,22.225) 43.193,22.238 55.359,22.238 v1(55.372,22.225) ; v1(65.278,35.052) 67.056,33.274 v1(67.056,21.59) ; v1(68.326,37.084) 70.993,37.084 72.223,38.314 Q2.3 ; v1(74.676,29.718) C6.1 77.724,29.718 C7.1
pads on no net: SW.1 SW.3 SW.4 U3.2 U3.8 U3.9 U3.10 U3.11 U3.14 U3.15 U3.26 U3.27 U3.34 U3.35 U3.36 U3.37 U3.38 U3.39 U3.40 U3.41 U3.44 U3.50 U3.51 U3.52 U3.61 U3.62

## Keep-outs
Keep-Out Layer:
  lines w0.508: 11.434,21.026 ccw(c12.954,8.255) 6.653,19.467 ccw(c9.996,10.043) 17.188,3.095 ccw(c10.922,12.446) 19.967,5.746 ; 11.435,21.015 ccw(c-3.206,75.656) 51.435,90.297 ; 19.996,5.725 cw(c60.031,-34.193) 37.256,17.552 ; 37.211,17.526 cw(c40.703,9.715) 40.891,18.269 ; 40.891,18.288 77.47,18.288 ; 51.523,90.341 cw(c62.992,96.012) 50.364,93.959 cw(c59.996,96.645) 69.711,94.274 ; 68.672,90.255 ccw(c57.15,95.377) 69.759,95.377 ; 68.712,90.237 ccw(c123.353,75.596) 108.712,20.955 cw(c106.299,5.08) 113.788,19.284 ; 77.343,18.288 cw(c78.232,10.16) 81.837,17.499 ; 81.666,17.601 cw(c60.071,-36.068) 99.949,5.842 ccw(c113.03,16.256) 103.078,2.82 ; 102.923,2.974 ccw(c109.996,10.043) 113.342,19.466

## Silkscreen, mask and mechanical layers (free items; w line width, h text height)
Top Overlay:
  circle w0.254: c59.996,96.645 r6.68
  circle w0.254: c109.996,10.043 r7.001
  circle w0.254: c9.996,10.043 r6.408
  lines w0.508: 57.277,19.558 58.674,19.558 ; 64.135,19.558 65.913,19.558 ; 65.024,18.796 65.024,20.447
  text "HUNTER" at 66.675,68.199 h5.08 r90
Top Solder:
  text "罗琪" at 13.843,16.637 h3.81 r30

## Text inside footprints (layer, text, board x,y; h text height)
24L01: Top Overlay "8" at 66.421,28.575 h0.64; Top Overlay "7" at 66.421,26.035 h0.64; Top Overlay "1" at 55.245,26.035 h0.64; Top Overlay "2" at 54.737,28.575 h0.64